# Altium PCB touch-2ch-v4.PcbDoc (part 2 of 8)
Units mm, origin at the board's own origin, x right, y up, seen from the top; angles counter-clockwise.
Board outline 39.88 x 84.36 mm, 2 copper layers (Top Layer, Bottom Layer); 1029 components, 40 nets, 2604 pads, 0 vias.
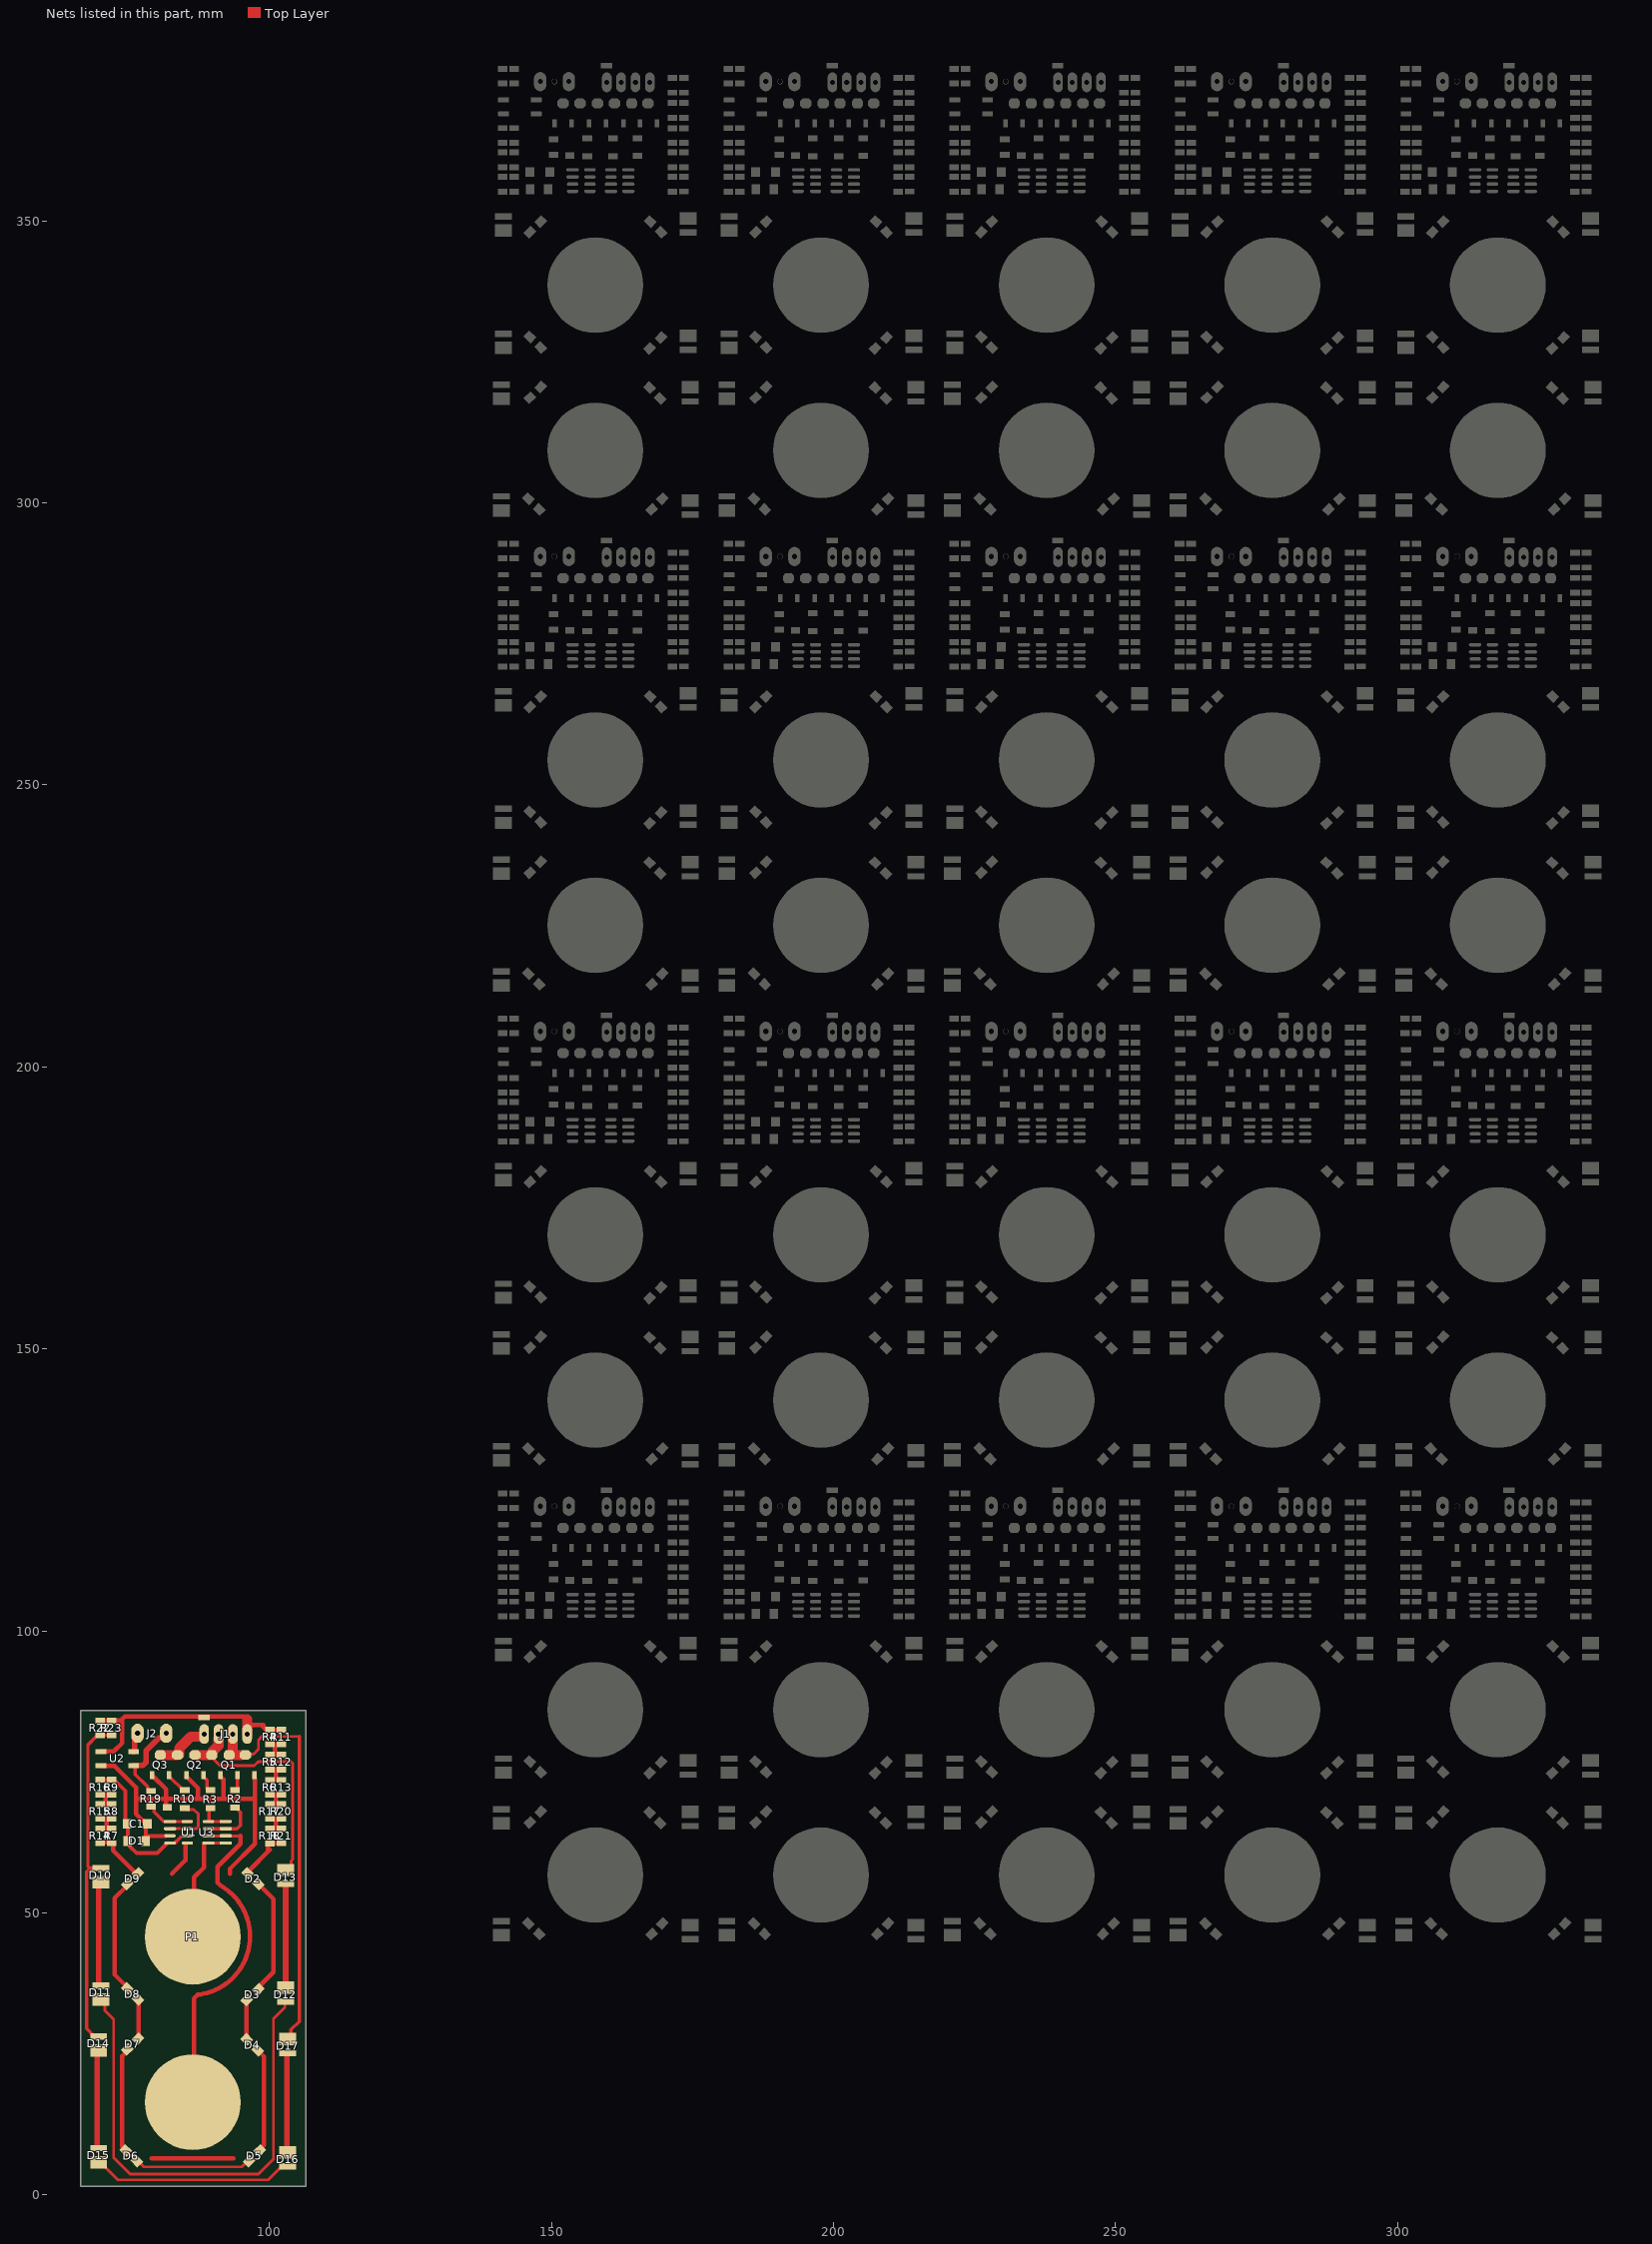
[diagram p2: the nets of this part, all layers, seen from the top]

## Components (designator, comment, footprint, x,y, rotation, side; value= is the part's Value field where it differs from the comment) (continued)
R21 "10K" "RES 1206 (3216X08L)"#3 333.504,272.308 r270 top
R21 "10K" "RES 1206 (3216X08L)"#3 173.505,188.108 r270 top
R21 "10K" "RES 1206 (3216X08L)"#3 213.505,188.108 r270 top
R21 "10K" "RES 1206 (3216X08L)"#3 253.504,188.108 r270 top
R21 "10K" "RES 1206 (3216X08L)"#3 293.505,188.108 r270 top
R21 "10K" "RES 1206 (3216X08L)"#3 333.504,188.108 r270 top
R21 "10K" "RES 1206 (3216X08L)"#3 173.505,103.908 r270 top
R21 "10K" "RES 1206 (3216X08L)"#3 213.505,103.908 r270 top
R21 "10K" "RES 1206 (3216X08L)"#3 253.504,103.908 r270 top
R21 "10K" "RES 1206 (3216X08L)"#3 293.505,103.908 r270 top
R21 "10K" "RES 1206 (3216X08L)"#3 333.504,103.908 r270 top
R21 "10K" "RES 1206 (3216X08L)"#3 102.131,63.649 r270 top
R22 "10K" "RES 1206 (3216X08L)"#3 141.351,375.663 r90 top
R22 "10K" "RES 1206 (3216X08L)"#3 181.351,375.663 r90 top
R22 "10K" "RES 1206 (3216X08L)"#3 221.351,375.663 r90 top
R22 "10K" "RES 1206 (3216X08L)"#3 261.351,375.663 r90 top
R22 "10K" "RES 1206 (3216X08L)"#3 301.351,375.663 r90 top
R22 "10K" "RES 1206 (3216X08L)"#3 141.351,291.463 r90 top
R22 "10K" "RES 1206 (3216X08L)"#3 181.351,291.463 r90 top
R22 "10K" "RES 1206 (3216X08L)"#3 221.351,291.463 r90 top
R22 "10K" "RES 1206 (3216X08L)"#3 261.351,291.463 r90 top
R22 "10K" "RES 1206 (3216X08L)"#3 301.351,291.463 r90 top
R22 "10K" "RES 1206 (3216X08L)"#3 141.351,207.263 r90 top
R22 "10K" "RES 1206 (3216X08L)"#3 181.351,207.263 r90 top
R22 "10K" "RES 1206 (3216X08L)"#3 221.351,207.263 r90 top
R22 "10K" "RES 1206 (3216X08L)"#3 261.351,207.263 r90 top
R22 "10K" "RES 1206 (3216X08L)"#3 301.351,207.263 r90 top
R22 "10K" "RES 1206 (3216X08L)"#3 141.351,123.063 r90 top
R22 "10K" "RES 1206 (3216X08L)"#3 181.351,123.063 r90 top
R22 "10K" "RES 1206 (3216X08L)"#3 221.351,123.063 r90 top
R22 "10K" "RES 1206 (3216X08L)"#3 261.351,123.063 r90 top
R22 "10K" "RES 1206 (3216X08L)"#3 301.351,123.063 r90 top
R22 "10K" "RES 1206 (3216X08L)"#3 69.977,82.804 r90 top
R23 "10K" "RES 1206 (3216X08L)"#3 143.383,375.663 r90 top
R23 "10K" "RES 1206 (3216X08L)"#3 183.383,375.663 r90 top
R23 "10K" "RES 1206 (3216X08L)"#3 223.383,375.663 r90 top
R23 "10K" "RES 1206 (3216X08L)"#3 263.383,375.663 r90 top
R23 "10K" "RES 1206 (3216X08L)"#3 303.383,375.663 r90 top
R23 "10K" "RES 1206 (3216X08L)"#3 143.383,291.463 r90 top
R23 "10K" "RES 1206 (3216X08L)"#3 183.383,291.463 r90 top
R23 "10K" "RES 1206 (3216X08L)"#3 223.383,291.463 r90 top
R23 "10K" "RES 1206 (3216X08L)"#3 263.383,291.463 r90 top
R23 "10K" "RES 1206 (3216X08L)"#3 303.383,291.463 r90 top
R23 "10K" "RES 1206 (3216X08L)"#3 143.383,207.263 r90 top
R23 "10K" "RES 1206 (3216X08L)"#3 183.383,207.263 r90 top
R23 "10K" "RES 1206 (3216X08L)"#3 223.383,207.263 r90 top
R23 "10K" "RES 1206 (3216X08L)"#3 263.383,207.263 r90 top
R23 "10K" "RES 1206 (3216X08L)"#3 303.383,207.263 r90 top
R23 "10K" "RES 1206 (3216X08L)"#3 143.383,123.063 r90 top
R23 "10K" "RES 1206 (3216X08L)"#3 183.383,123.063 r90 top
R23 "10K" "RES 1206 (3216X08L)"#3 223.383,123.063 r90 top
R23 "10K" "RES 1206 (3216X08L)"#3 263.383,123.063 r90 top
R23 "10K" "RES 1206 (3216X08L)"#3 303.383,123.063 r90 top
R23 "10K" "RES 1206 (3216X08L)"#3 72.009,82.804 r90 top
U1 "ATtiny15L-1SC" 8S2_N#1 157.151,357.143 r180 top
U1 "ATtiny15L-1SC" 8S2_N#1 197.151,357.143 r180 top
U1 "ATtiny15L-1SC" 8S2_N#1 237.151,357.143 r180 top
U1 "ATtiny15L-1SC" 8S2_N#1 277.151,357.143 r180 top
U1 "ATtiny15L-1SC" 8S2_N#1 317.15,357.143 r180 top
U1 "ATtiny15L-1SC" 8S2_N#1 157.151,272.943 r180 top
U1 "ATtiny15L-1SC" 8S2_N#1 197.151,272.943 r180 top
U1 "ATtiny15L-1SC" 8S2_N#1 237.151,272.943 r180 top
U1 "ATtiny15L-1SC" 8S2_N#1 277.151,272.943 r180 top
U1 "ATtiny15L-1SC" 8S2_N#1 317.15,272.943 r180 top
U1 "ATtiny15L-1SC" 8S2_N#1 157.151,188.743 r180 top
U1 "ATtiny15L-1SC" 8S2_N#1 197.151,188.743 r180 top
U1 "ATtiny15L-1SC" 8S2_N#1 237.151,188.743 r180 top
U1 "ATtiny15L-1SC" 8S2_N#1 277.151,188.743 r180 top
U1 "ATtiny15L-1SC" 8S2_N#1 317.15,188.743 r180 top
U1 "ATtiny15L-1SC" 8S2_N#1 157.151,104.543 r180 top
U1 "ATtiny15L-1SC" 8S2_N#1 197.151,104.543 r180 top
U1 "ATtiny15L-1SC" 8S2_N#1 237.151,104.543 r180 top
U1 "ATtiny15L-1SC" 8S2_N#1 277.151,104.543 r180 top
U1 "ATtiny15L-1SC" 8S2_N#1 317.15,104.543 r180 top
U1 "ATtiny15L-1SC" 8S2_N#1 85.777,64.284 r180 top
U2 "MB6S" SOIC245P670X270-4N 144.399,370.202 r0 top
U2 "MB6S" SOIC245P670X270-4N 184.399,370.202 r0 top
U2 "MB6S" SOIC245P670X270-4N 224.399,370.202 r0 top
U2 "MB6S" SOIC245P670X270-4N 264.399,370.202 r0 top
U2 "MB6S" SOIC245P670X270-4N 304.399,370.202 r0 top
U2 "MB6S" SOIC245P670X270-4N 144.399,286.002 r0 top
U2 "MB6S" SOIC245P670X270-4N 184.399,286.002 r0 top
U2 "MB6S" SOIC245P670X270-4N 224.399,286.002 r0 top
U2 "MB6S" SOIC245P670X270-4N 264.399,286.002 r0 top
U2 "MB6S" SOIC245P670X270-4N 304.399,286.002 r0 top
U2 "MB6S" SOIC245P670X270-4N 144.399,201.802 r0 top
U2 "MB6S" SOIC245P670X270-4N 184.399,201.802 r0 top
U2 "MB6S" SOIC245P670X270-4N 224.399,201.802 r0 top
U2 "MB6S" SOIC245P670X270-4N 264.399,201.802 r0 top
U2 "MB6S" SOIC245P670X270-4N 304.399,201.802 r0 top
U2 "MB6S" SOIC245P670X270-4N 144.399,117.602 r0 top
U2 "MB6S" SOIC245P670X270-4N 184.399,117.602 r0 top
U2 "MB6S" SOIC245P670X270-4N 224.399,117.602 r0 top
U2 "MB6S" SOIC245P670X270-4N 264.399,117.602 r0 top
U2 "MB6S" SOIC245P670X270-4N 304.399,117.602 r0 top
U2 "MB6S" SOIC245P670X270-4N 73.025,77.343 r0 top
U3 "ATtiny15L-1SC" 8S2_N#2 160.228,357.143 r180 top
U3 "ATtiny15L-1SC" 8S2_N#2 200.228,357.143 r180 top
U3 "ATtiny15L-1SC" 8S2_N#2 240.228,357.143 r180 top
U3 "ATtiny15L-1SC" 8S2_N#2 280.228,357.143 r180 top
U3 "ATtiny15L-1SC" 8S2_N#2 320.228,357.143 r180 top
U3 "ATtiny15L-1SC" 8S2_N#2 160.228,272.943 r180 top
U3 "ATtiny15L-1SC" 8S2_N#2 200.228,272.943 r180 top
U3 "ATtiny15L-1SC" 8S2_N#2 240.228,272.943 r180 top
U3 "ATtiny15L-1SC" 8S2_N#2 280.228,272.943 r180 top
U3 "ATtiny15L-1SC" 8S2_N#2 320.228,272.943 r180 top
U3 "ATtiny15L-1SC" 8S2_N#2 160.228,188.743 r180 top
U3 "ATtiny15L-1SC" 8S2_N#2 200.228,188.743 r180 top
U3 "ATtiny15L-1SC" 8S2_N#2 240.228,188.743 r180 top
U3 "ATtiny15L-1SC" 8S2_N#2 280.228,188.743 r180 top
U3 "ATtiny15L-1SC" 8S2_N#2 320.228,188.743 r180 top
U3 "ATtiny15L-1SC" 8S2_N#2 160.228,104.543 r180 top
U3 "ATtiny15L-1SC" 8S2_N#2 200.228,104.543 r180 top
U3 "ATtiny15L-1SC" 8S2_N#2 240.228,104.543 r180 top
U3 "ATtiny15L-1SC" 8S2_N#2 280.228,104.543 r180 top
U3 "ATtiny15L-1SC" 8S2_N#2 320.228,104.543 r180 top
U3 "ATtiny15L-1SC" 8S2_N#2 88.854,64.284 r180 top

## Footprints (in the part's own frame and the unit in brackets; to place one, negate y for a bottom-side part, rotate by r counter-clockwise, add the part's x,y. Pads: shape width x height; smd on the part's side, far side on the other; paste and mask are expansions set on the pad)
3.2X1.6X1.1#1 [mm] "SMT LED; 2 Flat Leads"
  rect 1.8x1.5 smd: 1(-1.347,0.09) 2(1.347,0.09)
  silkscreen extent -2.9,-1.15 3.2,1.15
3.2X1.6X1.1#2 [mm] "SMT LED; 2 Flat Leads"
  rect 1.8x1.5 smd: 1(-1.437,0.18) 2(1.347,0.09)
  silkscreen extent -2.9,-1.15 3.2,1.15
3.2X1.6X1.1#3 [mm] "SMT LED; 2 Flat Leads"
  rect 1.8x1.5 smd: 1(-1.437,0) 2(1.257,0)
  silkscreen extent -2.9,-1.15 3.2,1.15
3.2X1.6X1.1#4 [mm] "SMT LED; 2 Flat Leads"
  rect 1.8x1.5 smd: 1(-1.257,0) 2(1.437,0)
  silkscreen extent -2.9,-1.15 3.2,1.15
3.2X1.6X1.1#5 [mm] "SMT LED; 2 Flat Leads"
  rect 1.1x3 smd: 1(-1.414,0)
  rect 2.2x3 smd: 2(1.086,0)
  silkscreen extent -2.9,-1.65 2.67,1.65
3.2X1.6X1.1#6 [mm] "SMT LED; 2 Flat Leads"
  rect 1.1x3 smd: 1(-1.541,0)
  rect 2.2x3 smd: 2(0.959,0)
  silkscreen extent -2.9,-1.65 2.54,1.65
8S2_N#1 [mm] "SOP, 8-Leads, Body 5.3x5.3mm, Pitch 1.27mm, IPC Medium Density"
  oval 2.2x0.6 smd: 1(-3.4,1.905) 2(-3.4,0.635) 5(3.4,-1.905) 6(3.4,-0.635)
  oval 2x0.6 smd: 3(-3.4,-0.635) 4(-3.4,-1.905) 7(3.4,0.635) 8(3.4,1.905)
  silkscreen extent -3.52,-2.75 1.9,2.88, body extent -2.73,-2.75 2.73,2.75, height 2.16
8S2_N#2 [mm] "SOP, 8-Leads, Body 5.3x5.3mm, Pitch 1.27mm, IPC Medium Density"
  oval 2.2x0.6 smd: 1(-3.4,1.905) 2(-3.4,0.635) 3(-3.4,-0.635) 4(-3.4,-1.905)
  oval 2x0.6 smd: 5(3.4,-1.905) 6(3.4,-0.635) 7(3.4,0.635) 8(3.4,1.905)
  silkscreen extent -1.9,-2.9 3.63,2.75, body extent -2.73,-2.75 2.73,2.75, height 2.16
C1206 [mm] "Chip Capacitor, Body 3.2x1.6mm, IPC High Density"
  rect 1.5x1.8 smd: 1(-1.35,0) 2(1.83,0)
  silkscreen extent -0.16,-1.14 0.64,1.14, body extent -1.7,-0.9 1.7,0.9, height 1.3
"CAP 1206" [mm]
  rect 1.6x1.7 smd: 1(-1.778,0) 2(1.778,0)
  silkscreen extent -0.47,-0.75 0.53,0.75, body extent -1.49,-0.77 1.55,0.75, height 0.75
"HEADER 3X1" [mm]
  oval 2.2x3.4 hole 0.9: 1(0,0) 3(5.08,0)
  round 1 hole 0.9: 2(2.54,0)
  body extent -1.24,-1.27 6.38,1.27, height 8.38
"HEADER 4X1" [mm]
  oval 1.7x3.5 hole 0.9: 1(0,0) 2(2.54,0) 3(5.08,0) 4(7.62,0)
  body extent -1.19,-1.22 8.97,1.32, height 8.38
PIN1 [mm] "Connector; Plug"
  round 17 all layers, no hole: 1(0,0)
  silkscreen extent -1.4,-1.4 1.4,2.17
"RES 1206 (3216X08L)"#1 [mm] "Chip Resistor, 2-Leads, Body 3.2x1.6mm, IPC High Density _ (0.125 W)"
  rect 1.05x1.7 smd: 1(-1.44,0) 2(1.651,0)
  silkscreen extent -0.5,-0.75 0.5,0.75, body extent -1.52,-0.76 1.53,0.76, height 0.6
"RES 1206 (3216X08L)"#2 [mm] "Chip Resistor, 2-Leads, Body 3.2x1.6mm, IPC High Density _ (0.125 W)"
  rect 1.05x1.7 smd: 1(-1.567,0) 2(1.651,0)
  silkscreen extent -0.5,-0.75 0.5,0.75, body extent -1.52,-0.76 1.53,0.76, height 0.6
"RES 1206 (3216X08L)"#3 [mm] "Chip Resistor, 2-Leads, Body 3.2x1.6mm, IPC High Density _ (0.125 W)"
  rect 1.05x1.7 smd: 1(-1.295,0) 2(1.301,0)
  silkscreen extent -0.5,-0.75 0.5,0.75, body extent -1.52,-0.76 1.53,0.76, height 0.6
"RES 1206 (3216X08L)"#4 [mm] "Chip Resistor, 2-Leads, Body 3.2x1.6mm, IPC High Density _ (0.125 W)"
  rect 1.05x1.7 smd: 1(-1.524,0) 2(1.651,0)
  silkscreen extent -0.5,-0.75 0.5,0.75, body extent -1.52,-0.76 1.53,0.76, height 0.6
"RES 1206 (3216X08L)"#5 [mm] "Chip Resistor, 2-Leads, Body 3.2x1.6mm, IPC High Density _ (0.125 W)"
  rect 1.05x1.7 smd: 1(-1.397,0) 2(1.397,0)
  silkscreen extent -0.5,-0.75 0.5,0.75, body extent -1.52,-0.76 1.53,0.76, height 0.6
SOIC245P670X270-4N [mm]
  rrect23% 1.91x0.91 smd: 1(-2.9,1.225) 2(-2.9,-1.225) 3(2.9,-1.225) 4(2.9,1.225)
  silkscreen extent -4.68,-2.48 2.1,2.48
SOT89N#1 [mm] "SOT89, 3-Leads, Body 4.5x2.4 mm, Pitch 1.5mm, Lead Span 4.1mm, IPC Medium Density"
  rect 1.4x0.8 smd: 1(-1.8,1.5) 3(-1.8,-1.5)
  oct 1.7x2 smd: 2(1.756,0)
  silkscreen extent -2.07,-5.46 1.27,2.47, body extent -1.3,-2.3 1.3,2.3, height 1.6
SOT89N#2 [mm] "SOT89, 3-Leads, Body 4.5x2.4 mm, Pitch 1.5mm, Lead Span 4.1mm, IPC Medium Density"
  rect 1.4x0.8 smd: 1(-1.8,1.5) 3(-1.8,-1.5)
  oct 1.7x2 smd: 2(1.734,0)
  silkscreen extent -2.07,2.05 1.3,2.47, body extent -1.3,-2.3 1.3,2.3, height 1.6

## Part data
C1 C1 C1 C1 C1 C1 C1 C1 C1 C1 C1 C1 C1 C1 C1 C1 C1 C1 C1 C1 C1: library part Capacitor, "Capacitor"
D1 D1 D1 D1 D1 D1 D1 D1 D1 D1 D1 D1 D1 D1 D1 D1 D1 D1 D1 D1 D1: "Default Diode", Code_JEDEC=DO-214-AB, LatestRevisionDate=17-Jul-2002, LatestRevisionNote="Re-released for DXP Platform.", PackageDescription="DO-214-AB/SMC; 2 C-Bend Leads; Body 7.9 x 5.9 mm, inc. leads (LxW)", PackageReference=SMC, PackageVersion=Sep-1996, Published=8-Jun-2000, Publisher="Altium Limited"
D2 D2 D2 D2 D2 D2 D2 D2 D2 D2 D2 D2 D2 D2 D2 D2 D2 D2 D2 D2 D2 D3 D3 D3 D3 D3 D3 D3 D3 D3 D3 D3 D3 D3 D3 D3 D3 D3 D3 D3 D3 D3 D4 D4 D4 D4 D4 D4 D4 D4 D4 D4 D4 D4 D4 D4 D4 D4 D4 D4 D4 D4 D4 D5 D5 D5 D5 D5 D5 D5 D5 D5 D5 D5 D5 D5 D5 D5 D5 D5 D5 D5 D5 D5 D6 D6 D6 D6 D6 D6 D6 D6 D6 D6 D6 D6 D6 D6 D6 D6 D6 D6 D6 D6 D6 D7 D7 D7 D7 D7 D7 D7 D7 D7 D7 D7 D7 D7 D7 D7 D7 D7 D7 D7 D7 D7 D8 D8 D8 D8 D8 D8 D8 D8 D8 D8 D8 D8 D8 D8 D8 D8 D8 D8 D8 D8 D8 D9 D9 D9 D9 D9 D9 D9 D9 D9 D9 D9 D9 D9 D9 D9 D9 D9 D9 D9 D9 D9 D10 D10 D10 D10 D10 D10 D10 D10 D10 D10 D10 D10 D10 D10 D10 D10 D10 D10 D10 D10 D10 D11 D11 D11 D11 D11 D11 D11 D11 D11 D11 D11 D11 D11 D11 D11 D11 D11 D11 D11 D11 D11 D12 D12 D12 D12 D12 D12 D12 D12 D12 D12 D12 D12 D12 D12 D12 D12 D12 D12 D12 D12 D12 D13 D13 D13 D13 D13 D13 D13 D13 D13 D13 D13 D13 D13 D13 D13 D13 D13 D13 D13 D13 D13 D14 D14 D14 D14 D14 D14 D14 D14 D14 D14 D14 D14 D14 D14 D14 D14 D14 D14 D14 D14 D14 D15 D15 D15 D15 D15 D15 D15 D15 D15 D15 D15 D15 D15 D15 D15 D15 D15 D15 D15 D15 D15 D16 D16 D16 D16 D16 D16 D16 D16 D16 D16 D16 D16 D16 D16 D16 D16 D16 D16 D16 D16 D16 D17 D17 D17 D17 D17 D17 D17 D17 D17 D17 D17 D17 D17 D17 D17 D17 D17 D17 D17 D17 D17: "Typical RED, GREEN, YELLOW, AMBER GaAs LED", LatestRevisionDate=17-Jul-2002, LatestRevisionNote="Re-released for DXP Platform.", PackageDescription="SM LED; 2 Flat Leads", PackageReference=3.2X1.6X1.1, PackageVersion=Feb-2002, Published=8-Jun-2000, Publisher="Altium Limited"
Q1 Q1 Q1 Q1 Q1 Q1 Q1 Q1 Q1 Q1 Q1 Q1 Q1 Q1 Q1 Q1 Q1 Q1 Q1 Q1 Q1 Q2 Q2 Q2 Q2 Q2 Q2 Q2 Q2 Q2 Q2 Q2 Q2 Q2 Q2 Q2 Q2 Q2 Q2 Q2 Q2 Q2 Q3 Q3 Q3 Q3 Q3 Q3 Q3 Q3 Q3 Q3 Q3 Q3 Q3 Q3 Q3 Q3 Q3 Q3 Q3 Q3 Q3: "Silicon Bidirectional Triode Thyristor", ComponentLink1Description="Manufacturer Link", ComponentLink1URL=http://www.motorola.com/, DatasheetVersion=1999, LatestRevisionDate=17-Jul-2002, LatestRevisionNote="Re-released for DXP Platform.", Note="Pin 2 is electrically connected to Pin 4 (TAB)", PackageDescription="TO, Thru-Hole, Vertical, Heatsink Mounted; 3 In-Line Leads; Pitch 2.28 mm", PackageReference=369-03, Published=29-Sep-2000, Publisher="Altium Limited"
R2 R2 R2 R2 R2 R2 R2 R2 R2 R2 R2 R2 R2 R2 R2 R2 R2 R2 R2 R2 R2 R3 R3 R3 R3 R3 R3 R3 R3 R3 R3 R3 R3 R3 R3 R3 R3 R3 R3 R3 R3 R3 R4 R4 R4 R4 R4 R4 R4 R4 R4 R4 R4 R4 R4 R4 R4 R4 R4 R4 R4 R4 R4 R5 R5 R5 R5 R5 R5 R5 R5 R5 R5 R5 R5 R5 R5 R5 R5 R5 R5 R5 R5 R5 R6 R6 R6 R6 R6 R6 R6 R6 R6 R6 R6 R6 R6 R6 R6 R6 R6 R6 R6 R6 R6 R7 R7 R7 R7 R7 R7 R7 R7 R7 R7 R7 R7 R7 R7 R7 R7 R7 R7 R7 R7 R7 R8 R8 R8 R8 R8 R8 R8 R8 R8 R8 R8 R8 R8 R8 R8 R8 R8 R8 R8 R8 R8 R9 R9 R9 R9 R9 R9 R9 R9 R9 R9 R9 R9 R9 R9 R9 R9 R9 R9 R9 R9 R9 R10 R10 R10 R10 R10 R10 R10 R10 R10 R10 R10 R10 R10 R10 R10 R10 R10 R10 R10 R10 R10 R11 R11 R11 R11 R11 R11 R11 R11 R11 R11 R11 R11 R11 R11 R11 R11 R11 R11 R11 R11 R11 R12 R12 R12 R12 R12 R12 R12 R12 R12 R12 R12 R12 R12 R12 R12 R12 R12 R12 R12 R12 R12 R13 R13 R13 R13 R13 R13 R13 R13 R13 R13 R13 R13 R13 R13 R13 R13 R13 R13 R13 R13 R13 R14 R14 R14 R14 R14 R14 R14 R14 R14 R14 R14 R14 R14 R14 R14 R14 R14 R14 R14 R14 R14 R15 R15 R15 R15 R15 R15 R15 R15 R15 R15 R15 R15 R15 R15 R15 R15 R15 R15 R15 R15 R15 R16 R16 R16 R16 R16 R16 R16 R16 R16 R16 R16 R16 R16 R16 R16 R16 R16 R16 R16 R16 R16 R17 R17 R17 R17 R17 R17 R17 R17 R17 R17 R17 R17 R17 R17 R17 R17 R17 R17 R17 R17 R17 R18 R18 R18 R18 R18 R18 R18 R18 R18 R18 R18 R18 R18 R18 R18 R18 R18 R18 R18 R18 R18 R19 R19 R19 R19 R19 R19 R19 R19 R19 R19 R19 R19 R19 R19 R19 R19 R19 R19 R19 R19 R19 R20 R20 R20 R20 R20 R20 R20 R20 R20 R20 R20 R20 R20 R20 R20 R20 R20 R20 R20 R20 R20 R21 R21 R21 R21 R21 R21 R21 R21 R21 R21 R21 R21 R21 R21 R21 R21 R21 R21 R21 R21 R21 R22 R22 R22 R22 R22 R22 R22 R22 R22 R22 R22 R22 R22 R22 R22 R22 R22 R22 R22 R22 R22 R23 R23 R23 R23 R23 R23 R23 R23 R23 R23 R23 R23 R23 R23 R23 R23 R23 R23 R23 R23 R23: library part Resistor, "Resistor", Power="1/4 W", Tolerance=5%
U1 U1 U1 U1 U1 U1 U1 U1 U1 U1 U1 U1 U1 U1 U1 U1 U1 U1 U1 U1 U1 U3 U3 U3 U3 U3 U3 U3 U3 U3 U3 U3 U3 U3 U3 U3 U3 U3 U3 U3 U3 U3: "8-Bit AVR Microcontroller with 1K Byte of Flash Memory", Supplier Part Number 1=ATTINY15L-1SC-ND, ComponentLink1Description=Datasheet, ComponentLink1URL=http://www.atmel.com/dyn/resources/prod_documents/doc1187.pdf, ComponentLink2Description="Atmel.com Home", ComponentLink2URL=http://www.atmel.com, DatasheetVersion=1187E-AVR-06/02, LatestRevisionDate=16-Oct-2006, LatestRevisionNote="IPC-7351 Footprint Added.", PackageDescription="8-Lead, 0.208\" Body, Plastic Small Outline Package (EIAJ)", PackageReference=8S2, PackageVersion="revF, Apr-2008", Published=17-Sep-2003, Publisher="Altium Limited", Supplier 1=Digi-Key, Supplier 2=Mouser, Supplier Part Number 2=556-ATTINY15L1SC
U2 U2 U2 U2 U2 U2 U2 U2 U2 U2 U2 U2 U2 U2 U2 U2 U2 U2 U2 U2 U2: "Bridge Rectifier Single Phase Standard 600V Surface Mount 4-SOIC", Package="BESOP-4 Surge Components", Digi-Key_Part_Number=MB6SCT-ND, Digi-Key_Purchase_URL=https://www.digikey.com.tr/product-detail/en/on-semiconductor/MB6S/MB6SCT-ND/965654?utm_source=snapeda&utm_medium=aggregator&utm_campaign=symbol, MF="ON Semiconductor", MP=MB6S, SnapEDA_Link=https://www.snapeda.com/parts/MB6S/ON%20Semiconductor/view-part/2774209/?ref=snap
P1 P1 P1 P1 P1 P1 P1 P1 P1 P1 P1 P1 P1 P1 P1 P1 P1 P1 P1 P1 P1: LatestRevisionDate=17-Jul-2002, LatestRevisionNote="Re-released for DXP Platform.", Publisher="Altium Limited"

## Free pads (board coordinates)
  rect 1.6x1.2 all layers, no hole: 156(81.915,68.707) 156(153.289,108.966) 156(153.289,193.166) 156(153.289,277.366) 156(153.289,361.566) 156(193.289,108.966) 156(193.289,193.166) 156(193.289,277.366) 156(193.289,361.566) 156(233.289,108.966) 156(233.289,193.166) 156(233.289,277.366) 156(233.289,361.566) 156(273.289,108.966) 156(273.289,193.166) 156(273.289,277.366) 156(273.289,361.566) 156(313.289,108.966) 156(313.289,193.166) 156(313.289,277.366) 156(313.289,361.566)
  round 17 smd: 157(86.405,16.427) 157(157.779,56.686) 157(157.779,140.886) 157(157.779,225.086) 157(157.779,309.286) 157(197.779,56.686) 157(197.779,140.886) 157(197.779,225.086) 157(197.779,309.286) 157(237.779,56.686) 157(237.779,140.886) 157(237.779,225.086) 157(237.779,309.286) 157(277.779,56.686) 157(277.779,140.886) 157(277.779,225.086) 157(277.779,309.286) 157(317.779,56.686) 157(317.779,140.886) 157(317.779,225.086) 157(317.779,309.286)
  rect 2x1 all layers, no hole: 160(88.392,84.659) 160(159.766,124.918) 160(159.766,209.118) 160(159.766,293.318) 160(159.766,377.518) 160(199.766,124.918) 160(199.766,209.118) 160(199.766,293.318) 160(199.766,377.518) 160(239.766,124.918) 160(239.766,209.118) 160(239.766,293.318) 160(239.766,377.518) 160(279.766,124.918) 160(279.766,209.118) 160(279.766,293.318) 160(279.766,377.518) 160(319.766,124.918) 160(319.766,209.118) 160(319.766,293.318) 160(319.766,377.518)
  rect 0.8x1.4 all layers, no hole: 163(97.36,74.423) 163(168.734,114.682) 163(168.734,198.881) 163(168.734,283.081) 163(168.734,367.281) 163(208.734,114.682) 163(208.734,198.881) 163(208.734,283.081) 163(208.734,367.281) 163(248.734,114.682) 163(248.734,198.881) 163(248.734,283.081) 163(248.734,367.281) 163(288.734,114.682) 163(288.734,198.881) 163(288.734,283.081) 163(288.734,367.281) 163(328.733,114.682) 163(328.733,198.881) 163(328.733,283.081) 163(328.733,367.281)
  oct 2x1.7 smd: 164(83.693,77.978) 164(89.789,77.978) 164(95.758,77.978) 164(155.067,118.237) 164(155.067,202.437) 164(155.067,286.637) 164(155.067,370.837) 164(161.163,118.237) 164(161.163,202.437) 164(161.163,286.637) 164(161.163,370.837) 164(167.132,118.237) 164(167.132,202.437) 164(167.132,286.637) 164(167.132,370.837) 164(195.067,118.237) 164(195.067,202.437) 164(195.067,286.637) 164(195.067,370.837) 164(201.163,118.237) 164(201.163,202.437) 164(201.163,286.637) 164(201.163,370.837) 164(207.132,118.237) 164(207.132,202.437) 164(207.132,286.637) 164(207.132,370.837) 164(235.067,118.237) 164(235.067,202.437) 164(235.067,286.637) 164(235.067,370.837) 164(241.163,118.237) 164(241.163,202.437) 164(241.163,286.637) 164(241.163,370.837) 164(247.132,118.237) 164(247.132,202.437) 164(247.132,286.637) 164(247.132,370.837) 164(275.067,118.237) 164(275.067,202.437) 164(275.067,286.637) 164(275.067,370.837) 164(281.163,118.237) 164(281.163,202.437) 164(281.163,286.637) 164(281.163,370.837) 164(287.132,118.237) 164(287.132,202.437) 164(287.132,286.637) 164(287.132,370.837) 164(315.067,118.237) 164(315.067,202.437) 164(315.067,286.637) 164(315.067,370.837) 164(321.163,118.237) 164(321.163,202.437) 164(321.163,286.637) 164(321.163,370.837) 164(327.132,118.237) 164(327.132,202.437) 164(327.132,286.637) 164(327.132,370.837)

## Nets (pads, with @x,y where several pads share a name; then routed paths per layer and width w, separated by ;. In a path a pad name is that pad's centre, name@x,y a point inside that pad or via, vN(x,y) a via of type N, cw(c..) or ccw(c..) an arc to the next point about the centre after c; other vN are vias at no path point)
GND: C1.2@78.359,65.786 D1.1@78.058,62.738 pad.156@81.915,68.707 pad.163@97.36,74.423 Q1.1@91.36,74.423 Q2.1@85.288,74.444 Q3.1@79.168,74.423 U1.7@82.377,63.649 U2.2@70.125,76.118 U3.8@85.454,62.379 | length 99
  Top Layer w0.7: D1.1@78.058,62.738 78.058,63.649 ; C1.2@78.128,65.682 78.128,63.649 U1.7@81.615,63.649
  Top Layer w0.8: U2.2@70.116,76.073 72.517,76.073 76.327,72.263 76.327,70.231 ; C1.2@78.359,65.786 78.359,65.836 77.959,66.236 77.655,66.236 76.327,67.564 76.327,70.231 ; 79.121,6.477 93.599,6.477 ; Q3.1@79.168,74.423 79.168,74.123 79.468,74.123 81.661,71.929 81.661,70.231 ; pad.156@81.915,68.707 81.887,68.707 81.687,68.907 81.687,69.976 81.433,70.231 ; 82.749,56.968 85.09,59.309 85.09,61.995 ; Q2.1@85.288,74.144 87.376,72.056 87.376,70.231 ; Q1.1@91.36,74.423 91.36,74.123 91.821,73.661 91.821,70.231 ; 92.964,56.896 92.964,57.785 97.432,62.253 97.432,70.231 ; pad.163@97.36,74.423 97.36,73.888 97.432,73.816 97.432,70.231 ; 76.327,70.231 81.433,70.231 ; 81.433,70.231 87.376,70.231 ; 87.376,70.231 91.821,70.231 ; 91.821,70.231 97.432,70.231
NetD2_1: D2.1@96.139,57.023 R18.2@100.076,62.326 R21.2@102.131,62.349 | length 9.7
  Top Layer w0.8: D2.1@96.266,57.032 96.259,57.038 96.259,57.397 100.087,61.225 ; 99.706,61.225 99.706,62.201 99.831,62.326 R18.2@100.353,62.326 ; R18.2@99.949,62.326 R18.2@100.076,62.326 R18.2@100.353,62.326 ; R21.2@102.131,62.349 100.353,62.349 R18.2@100.353,62.326
NetD2_2: D2.2@98.044,55.118 D3.1@98.044,36.449 | length 20.9
  Top Layer w0.8: D3.1@98.044,36.449 98.044,36.83 100.711,39.497 100.711,52.451 D2.2@98.044,55.118
NetD3_2: D3.2@96.012,34.544 D4.1@96.012,27.559 | length 7.2
  Top Layer w0.8: D4.1@95.906,27.559 D4.1@95.906,27.665 ; D4.1@96.012,27.559 D4.1@95.906,27.665 ; D3.2@96.012,34.544 95.906,34.438 D4.1@95.906,27.665
NetD4_2: D4.2@97.917,25.654 D5.1@98.298,7.874 | length 18.9
  Top Layer w0.8: D4.2@97.917,25.654 97.917,25.633 99.06,24.49 99.06,8.855 98.171,7.966 D5.1@98.171,7.62
NetD5_2: D5.2@96.393,5.969 D6.1@76.454,5.969 | length 20.7
  Top Layer w0.5: D6.1@76.454,5.842 76.849,5.842 77.738,4.953 95.109,4.953 95.871,5.715 D5.2@96.52,5.715
NetD6_2: D6.2@74.549,7.874 D7.1@74.803,25.781 | length 18.6
  Top Layer w0.8: D6.2@74.168,7.747 74.316,7.895 74.316,8.221 73.914,8.623 73.914,24.638 D7.1@74.549,25.273
  Top Layer w1: D7.1@74.549,25.273 74.803,25.527 D7.1@74.803,25.781
NetD7_2: D7.2@76.708,27.686 D8.1@76.708,34.671 | length 7.2
  Top Layer w0.8: D7.2@76.708,27.686 D7.2@76.814,27.792 ; D8.1@76.708,34.671 76.814,34.565 D7.2@76.814,27.792 ; D7.2@76.814,27.686 D7.2@76.814,27.792
NetD8_2: D8.2@74.803,36.576 D9.1@74.803,55.118 | length 20.4
  Top Layer w0.8: D8.2@74.803,36.576 74.803,36.795 72.517,39.081 72.517,52.578 74.803,54.864 D9.1@74.803,55.118
NetD9_2: D9.2@76.708,57.023 R7.1@72.009,62.332 R14.1@69.977,62.332 | length 9.9
  Top Layer w0.8: R14.1@69.977,62.484 71.753,62.484 71.871,62.366 R7.1@72.3,62.366 ; R7.1@72.009,62.332 72.125,62.332 72.25,62.207 72.25,61.1 76.327,57.023 D9.2@76.708,57.023
NetD10_1: D10.1@70.104,57.929 D14.1@69.723,28.084 R22.1@69.977,81.509 R23.1@72.009,81.509 | length 62
  Top Layer w0.6: 68.232,57.691 69.485,57.691 D10.1@69.723,57.929 ; D14.1@69.723,28.084 68.773,28.084 68.473,28.384 68.473,28.597 67.573,29.497 67.573,57.27 68.025,57.722 68.232,57.929 ; D10.1@70.104,57.929 69.485,57.929 68.232,57.929 ; R23.1@71.981,81.509 R22.1@69.977,81.509 69.571,81.509 67.818,79.756 67.818,58.28 68.169,57.929 68.232,57.929
NetD10_2: D10.2@70.104,55.429 D11.1@70.104,37.101 | length 18.6
  Top Layer w1: D10.2@69.723,55.337 69.723,37.151 69.773,37.101 D11.1@70.104,37.101
NetD11_2: D11.2@70.104,34.601 D12.1@102.87,34.273 | length 88.4
  Top Layer w0.5: D11.2@70.104,34.601 70.842,33.863 70.842,32.663 72.39,31.115 72.39,6.604 75.3,3.694 98.055,3.694 100.711,6.35 100.711,31.242 102.735,33.266 102.735,34.138 D12.1@102.87,34.273
NetD12_2: D12.2@102.87,36.773 D13.1@102.87,55.101 | length 18.3
  Top Layer w1: D12.2@102.87,36.773 D13.1@102.87,55.101
NetD14_2: D14.2@69.723,25.584 D15.1@69.723,8.272 | length 18
  Top Layer w1: D14.2@69.723,25.584 69.469,25.33 69.469,8.322 69.519,8.272 D15.1@70.104,8.272
NetD15_2: D15.2@69.723,5.772 D16.1@103.251,5.063 | length 35.7
  Top Layer w0.5: D15.2@69.723,5.772 70.123,5.772 70.973,4.922 70.973,4.846 73.152,2.667 99.778,2.667 102.174,5.063 D16.1@103.124,5.063
NetD16_2: D16.2@103.251,7.563 D17.1@103.251,25.129 | length 17.6
  Top Layer w1: D16.2@103.124,7.563 D17.1@103.124,25.129
NetJ1_4: J1.4@88.437,81.706 pad.164@83.693,77.978 Q3.2@80.668,77.978 | length 9.5
  Top Layer w1.8: Q3.2@80.668,77.978 pad.164@83.693,77.978 83.743,78.028 pad.164@83.793,78.028 ; pad.164@84.047,78.028 84.047,79.221 86.035,81.209 J1.4@88.387,81.209
NetJ2_1: J2.1@76.626,81.833 U2.4@75.925,78.568 | length 4.5
  Top Layer w1: U2.4@75.821,78.59 75.866,78.635 76.096,78.635 76.096,81.14 76.626,81.67 J2.1@76.626,82.595
NetJ2_3: J2.3@81.706,81.833 R19.1@78.994,71.628 U2.3@75.925,76.118 | length 16
  Top Layer w0.6: U2.3@75.925,76.118 76.045,76.118 76.2,75.963 76.2,74.549 78.444,72.305 78.444,71.853 78.669,71.628 R19.1@78.994,71.628
  Top Layer w1: U2.3@75.925,76.118 76.045,76.118 76.454,76.118 77.542,76.118 78.128,76.704 78.128,78.763 80.368,81.003 81.152,81.003 81.706,81.558 J2.3@81.706,81.833 J2.3@81.706,82.32
NetP1_1: P1.1@86.405,45.765 U1.1@89.177,62.379 | length 18.8
  Top Layer w0.6: U1.1@89.177,62.379 91.948,62.379
  Top Layer w0.8: P1.1@86.659,46.781 86.659,56.306 88.392,58.039 U1.1@88.392,62.103
NetP2_1: U3.1@92.254,62.379
NetQ1_3: Q1.3@94.36,74.423 R2.2@93.876,71.777 | length 3.1
  Top Layer w0.6: R2.2@93.622,71.777 93.947,71.777 94.36,72.19 Q1.3@94.36,74.423
NetQ2_3: Q2.3@88.288,74.444 R3.2@89.558,71.777 | length 2.9
  Top Layer w0.6: Q2.3@88.288,74.144 Q2.3@88.388,74.044 ; Q2.3@88.389,74.044 88.9,73.533 88.9,72.003 89.125,71.777 R3.2@89.304,71.777
NetQ3_3: Q3.3@82.168,74.423 R10.2@84.986,71.777 | length 4.7
  Top Layer w0.6: Q3.3@82.168,74.423 82.168,74.123 82.268,74.022 82.416,74.022 84.661,71.777 R10.2@84.986,71.777 ; Q3.3@82.192,74.19 Q3.3@82.192,74.833
NetR4_2: R4.2@100.099,79.875 R5.1@100.099,78.026 R11.2@102.131,79.875 R12.1@102.131,78.026 | length 6
  Top Layer w0.8: R5.1@100.099,78.026 101.115,78.026 ; R4.2@100.099,79.875 100.988,79.875 ; R12.1@102.131,78.026 101.115,78.026 ; R11.2@102.131,79.875 100.988,79.875 ; 100.988,79.875 100.988,78.153 101.115,78.026
NetR5_2: R5.2@100.099,75.43 R6.1@100.099,73.581 R12.2@102.131,75.43 R13.1@102.131,73.581 | length 5.9
  Top Layer w0.8: R6.1@100.099,73.581 101.115,73.581 ; R5.2@100.099,75.43 101.115,75.43 ; R13.1@102.131,73.581 101.115,73.581 ; R12.2@102.131,75.43 101.115,75.43 ; 101.115,73.581 101.115,75.43
NetR6_2: R6.2@100.099,70.985 R13.2@102.131,70.985 R17.1@100.099,69.263 R20.1@102.131,69.263 | length 5.8
  Top Layer w0.8: R17.1@100.099,69.263 101.115,69.263 ; R6.2@100.099,70.985 101.115,70.985 ; R20.1@102.131,69.263 101.115,69.263 ; R13.2@102.131,70.985 101.115,70.985 ; 101.115,69.263 101.115,70.985
NetR7_2: R7.2@72.009,64.928 R8.1@72.032,66.672 R14.2@69.977,64.928 R15.1@70,66.672 | length 5.6
  Top Layer w0.8: R14.2@69.977,64.928 70.408,64.928 71.12,64.928 ; R15.1@70,66.672 71.12,66.672 ; R7.2@72.009,64.928 71.99,64.947 71.374,64.947 71.12,65.201 71.12,66.672 ; R8.1@72.032,66.672 71.12,66.672
NetR8_2: R8.2@72.032,69.268 R9.1@72.032,70.99 R15.2@70,69.268 R16.1@70,70.99 | length 4.8
  Top Layer w0.8: R16.1@70,70.99 70.983,70.99 ; R8.2@72.032,69.268 72.028,69.265 70.983,69.265 70.983,70.99 ; R9.1@72.032,70.99 70.983,70.99
NetR17_2: R17.2@100.099,66.667 R18.1@100.076,64.922 R20.2@102.131,66.667 R21.1@102.131,64.945 | length 6
  Top Layer w0.8: R18.1@99.972,64.945 101.051,64.945 ; R17.2@100.099,66.667 101.115,66.667 ; R21.1@102.131,64.945 101.115,64.945 ; R20.2@102.131,66.667 101.115,66.667 ; 101.051,64.945 101.115,64.945 ; 101.051,64.945 101.115,65.008 ; 101.115,64.945 101.115,65.008 ; 101.115,65.008 101.115,66.667
o1: pad.157@86.405,16.427 U1.2@89.177,63.649 U3.2@92.254,63.649 | length 62.7
  Top Layer w0.6: U1.2@89.191,63.649 89.977,63.649 89.999,63.627 91.431,63.627 91.454,63.649 U3.2@92.254,63.649 93.054,63.649 93.076,63.627 94.892,63.627
  Top Layer w0.8: pad.157@86.405,16.427 pad.157@86.614,16.636 ; pad.157@86.614,15.874 86.614,34.832 87.258,35.476 ccw(c86.149,45.816) 91.382,54.804 90.805,55.381 90.805,58.166 94.892,62.253 94.892,63.627
o2: R2.1@93.876,68.687 U1.3@89.177,64.919 U3.3@92.254,64.919 | length 9.2
  Top Layer w0.6: U1.3@89.143,64.919 U1.3@89.177,64.919 89.877,64.919 89.899,64.897 91.431,64.897 91.454,64.919 U3.3@92.254,64.919 93.054,64.919 93.076,64.897 94.234,64.897 94.869,65.532 94.869,67.818 R2.1@94.234,68.453
o3: R3.1@89.558,68.559 U1.4@89.177,66.189 U3.4@92.254,66.189 | length 5.9
  Top Layer w0.6: U1.4@89.281,66.189 89.281,68.334 89.506,68.559 R3.1@89.558,68.559 89.662,68.455 R3.1@89.662,68.559 ; U1.4@89.685,66.189 90.043,66.189 92.762,66.189 U3.4@92.845,66.189
o4: R10.1@84.986,68.602 U1.6@82.377,64.919 U3.6@85.454,64.919 | length 10.3
  Top Layer w0.5: U1.6@82.396,64.939 86.2,64.939 87.083,64.939 87.376,65.232 87.376,67.564 86.613,68.327 85.261,68.327 R10.1@84.986,68.602
o5: R19.2@78.994,68.834 U1.5@82.377,66.189 U3.5@85.454,66.189 | length 8.5
  Top Layer w0.6: R19.2@79.345,68.808 79.544,68.609 79.544,67.903 81.258,66.189 U1.5@82.377,66.189 ; U1.5@82.085,66.189 U3.5@86.051,66.189
V1: D17.2@103.251,27.629 J1.2@93.517,81.706 pad.164@95.758,77.978 Q1.2@92.86,77.978 | length 73.2
  Top Layer w0.5: pad.164@95.758,77.978 95.929,78.149 97.199,78.149 98.044,78.994 98.044,80.645 98.679,81.28 105.283,81.28
  Top Layer w0.6: D17.2@103.124,27.629 103.827,28.332 103.827,29.278 105.283,30.734 105.283,81.28
  Top Layer w1.8: Q1.2@93.263,78.381 Q1.2@92.86,77.978 pad.164@95.025,77.978 ; Q1.2@93.517,78.381 J1.2@93.517,81.706 J1.2@93.517,82.468
V2: D13.2@102.87,57.601 J1.3@90.977,81.706 pad.164@89.789,77.978 Q2.2@86.788,77.978 | length 42.2
  Top Layer w0.5: pad.164@89.563,77.746 90.517,76.792 90.517,76.787 91.231,76.073 97.282,76.073 98.044,76.835 103.847,76.835 104.14,76.542 104.14,59.436 103.862,59.158 103.862,58.339 D13.2@103.124,57.601 ; D13.2@101.917,57.468 D13.2@102.625,57.468
  Top Layer w1.8: Q2.2@86.788,77.978 pad.164@89.789,77.978 89.839,78.028 89.844,78.028 89.844,78.541 90.977,79.674 J1.3@90.977,80.856
vcc: C1.1@74.803,65.786 D1.2@74.878,62.738 R9.2@72.032,73.586 R16.2@70,73.586 U1.8@82.377,62.379 U3.7@85.454,63.649 | length 26.3
  Top Layer w0.6: U1.8@82.377,62.379 83.221,62.379 84.077,63.235 84.077,63.249 84.477,63.649 U3.7@85.333,63.649
  Top Layer w0.7: R9.2@72.032,73.586 72.207,73.411 72.639,73.411 74.422,71.628 74.422,66.167 C1.1@74.803,65.786 ; C1.1@74.92,65.41 74.92,62.738 75.278,62.38 75.278,61.755 76.454,60.579 80.137,60.579 81.727,62.169 U1.8@81.727,62.329
  Top Layer w0.8: R16.2@70,73.586 R9.2@72.032,73.586
VDD: J1.1@96.057,81.706 pad.160@88.392,84.659 R4.1@100.099,82.471 R11.1@102.131,82.471 R22.2@69.977,84.105 R23.2@72.009,84.105 U2.1@70.125,78.568 | length 45.1
  Top Layer w0.8: U2.1@69.952,78.623 72.4,78.623 73.914,80.137 73.914,84.074 ; R22.2@69.977,84.105 71.913,84.105 71.943,84.074 73.914,84.074 ; pad.160@88.29,84.836 74.383,84.836 73.914,84.367 73.914,84.074 ; pad.160@88.392,84.836 95.549,84.836 96.057,84.328 ; J1.1@96.139,82.778 96.442,82.778 96.976,83.312 98.933,83.312 ; 98.552,83.312 99.268,82.596 99.974,82.596 R4.1@100.099,82.471 ; R4.1@99.774,82.471 R11.1@102.131,82.471
  Top Layer w1.8: J1.1@96.057,81.706 96.057,82.931 96.057,84.328